# KiCad board SparkFun_IoT_RedBoard-RP2350_panelized.kicad_pcb (continued)
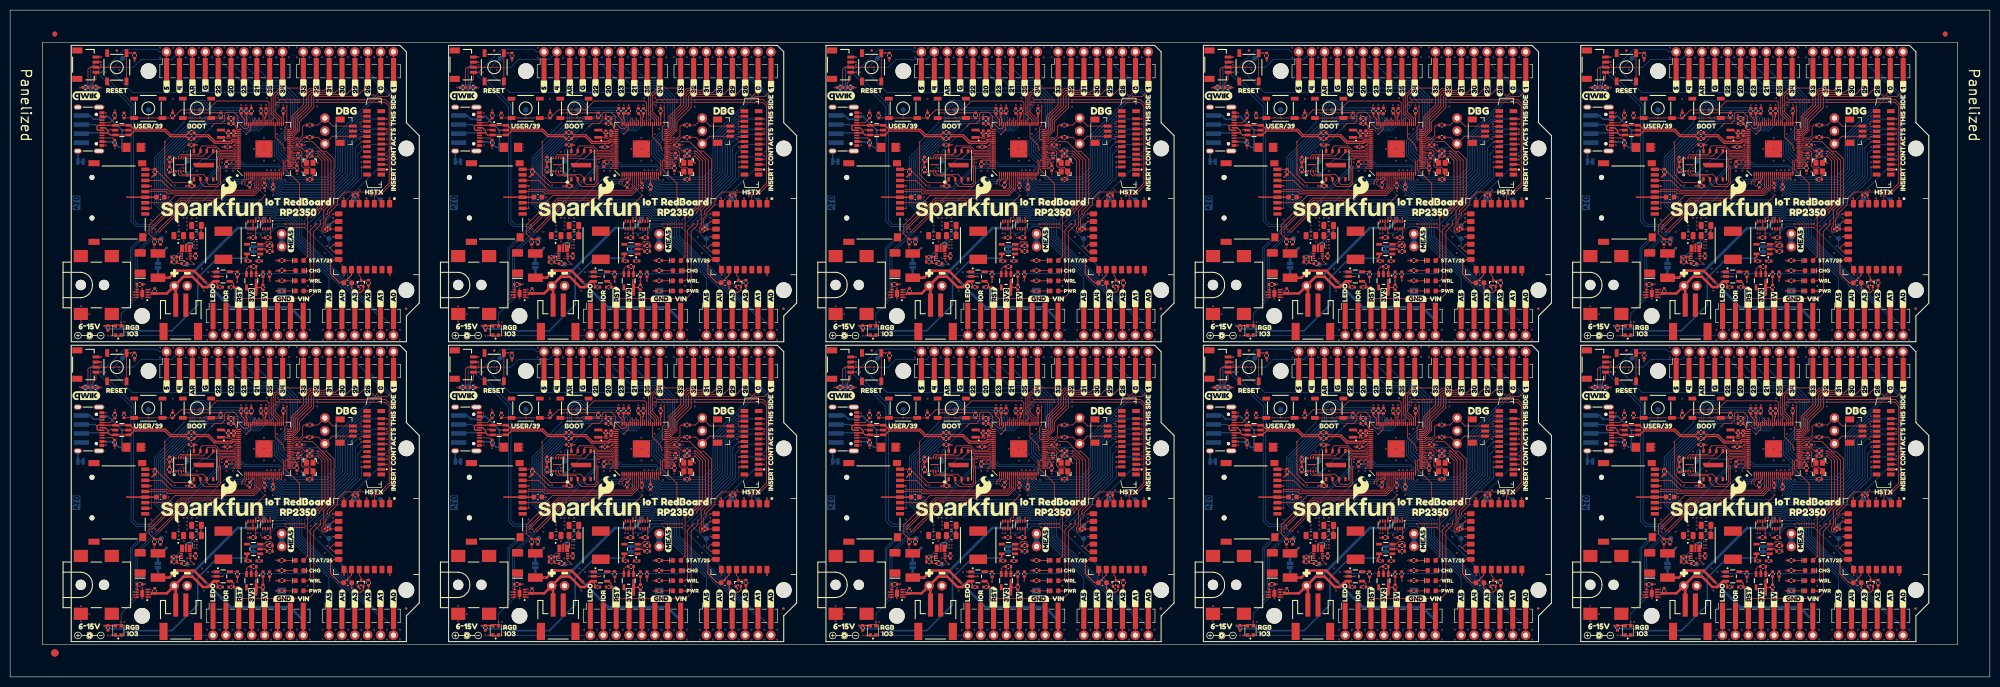
[diagram p0: board, top side]
## Placement (name value [footprint] x y rotation side) (continued)
kibuzzard-67A3E1FA#9  G***  [kibuzzard-67A3E1FA]  256.45 116.33 90 top
kibuzzard-67A3E1FA#10  G***  [kibuzzard-67A3E1FA]  256.45 57.21 90 top
kibuzzard-67A3E2A5  G***  [kibuzzard-67A3E2A5]  47.57 74.68 90 top
kibuzzard-67A3E2A5#2  G***  [kibuzzard-67A3E2A5]  121.93 74.68 90 top
kibuzzard-67A3E2A5#3  G***  [kibuzzard-67A3E2A5]  270.65 15.56 90 top
kibuzzard-67A3E2A5#4  G***  [kibuzzard-67A3E2A5]  270.65 74.68 90 top
kibuzzard-67A3E2A5#5  G***  [kibuzzard-67A3E2A5]  345.01 15.56 90 top
kibuzzard-67A3E2A5#6  G***  [kibuzzard-67A3E2A5]  121.93 15.56 90 top
kibuzzard-67A3E2A5#7  G***  [kibuzzard-67A3E2A5]  196.29 74.68 90 top
kibuzzard-67A3E2A5#8  G***  [kibuzzard-67A3E2A5]  196.29 15.56 90 top
kibuzzard-67A3E2A5#9  G***  [kibuzzard-67A3E2A5]  345.01 74.68 90 top
kibuzzard-67A3E2A5#10  G***  [kibuzzard-67A3E2A5]  47.57 15.56 90 top
kibuzzard-67A3E2C6  G***  [kibuzzard-67A3E2C6]  45.02 15.76 90 top
kibuzzard-67A3E2C6#2  G***  [kibuzzard-67A3E2C6]  119.38 74.88 90 top
kibuzzard-67A3E2C6#3  G***  [kibuzzard-67A3E2C6]  193.74 74.88 90 top
kibuzzard-67A3E2C6#4  G***  [kibuzzard-67A3E2C6]  45.02 74.88 90 top
kibuzzard-67A3E2C6#5  G***  [kibuzzard-67A3E2C6]  119.38 15.76 90 top
kibuzzard-67A3E2C6#6  G***  [kibuzzard-67A3E2C6]  193.74 15.76 90 top
kibuzzard-67A3E2C6#7  G***  [kibuzzard-67A3E2C6]  268.1 74.88 90 top
kibuzzard-67A3E2C6#8  G***  [kibuzzard-67A3E2C6]  268.1 15.76 90 top
kibuzzard-67A3E2C6#9  G***  [kibuzzard-67A3E2C6]  342.46 15.76 90 top
kibuzzard-67A3E2C6#10  G***  [kibuzzard-67A3E2C6]  342.46 74.88 90 top
kibuzzard-67A3E4A3  G***  [kibuzzard-67A3E4A3]  45.62 25.21 180 bottom
kibuzzard-67A3E4A3#2  G***  [kibuzzard-67A3E4A3]  343.06 84.33 180 bottom
kibuzzard-67A3E4A3#3  G***  [kibuzzard-67A3E4A3]  268.7 25.21 180 bottom
kibuzzard-67A3E4A3#4  G***  [kibuzzard-67A3E4A3]  343.06 25.21 180 bottom
kibuzzard-67A3E4A3#5  G***  [kibuzzard-67A3E4A3]  194.34 84.33 180 bottom
kibuzzard-67A3E4A3#6  G***  [kibuzzard-67A3E4A3]  268.7 84.33 180 bottom
kibuzzard-67A3E4A3#7  G***  [kibuzzard-67A3E4A3]  119.98 25.21 180 bottom
kibuzzard-67A3E4A3#8  G***  [kibuzzard-67A3E4A3]  119.98 84.33 180 bottom
kibuzzard-67A3E4A3#9  G***  [kibuzzard-67A3E4A3]  194.34 25.21 180 bottom
kibuzzard-67A3E4A3#10  G***  [kibuzzard-67A3E4A3]  45.62 84.33 180 bottom
kibuzzard-67A3E4D1  G***  [kibuzzard-67A3E4D1]  61.72 21.96 180 bottom
kibuzzard-67A3E4D1#2  G***  [kibuzzard-67A3E4D1]  210.44 21.96 180 bottom
kibuzzard-67A3E4D1#3  G***  [kibuzzard-67A3E4D1]  284.8 21.96 180 bottom
kibuzzard-67A3E4D1#4  G***  [kibuzzard-67A3E4D1]  61.72 81.08 180 bottom
kibuzzard-67A3E4D1#5  G***  [kibuzzard-67A3E4D1]  136.08 21.96 180 bottom
kibuzzard-67A3E4D1#6  G***  [kibuzzard-67A3E4D1]  136.08 81.08 180 bottom
kibuzzard-67A3E4D1#7  G***  [kibuzzard-67A3E4D1]  210.44 81.08 180 bottom
kibuzzard-67A3E4D1#8  G***  [kibuzzard-67A3E4D1]  359.16 81.08 180 bottom
kibuzzard-67A3E4D1#9  G***  [kibuzzard-67A3E4D1]  359.16 21.96 180 bottom
kibuzzard-67A3E4D1#10  G***  [kibuzzard-67A3E4D1]  284.8 81.08 180 bottom
kibuzzard-67A3E09E  G***  [kibuzzard-67A3E09E]  75.52 46.16 90 top
kibuzzard-67A3E09E#2  G***  [kibuzzard-67A3E09E]  149.88 46.16 90 top
kibuzzard-67A3E09E#3  G***  [kibuzzard-67A3E09E]  224.24 105.28 90 top
kibuzzard-67A3E09E#4  G***  [kibuzzard-67A3E09E]  75.52 105.28 90 top
kibuzzard-67A3E09E#5  G***  [kibuzzard-67A3E09E]  149.88 105.28 90 top
kibuzzard-67A3E09E#6  G***  [kibuzzard-67A3E09E]  224.24 46.16 90 top
kibuzzard-67A3E09E#7  G***  [kibuzzard-67A3E09E]  298.6 46.16 90 top
kibuzzard-67A3E09E#8  G***  [kibuzzard-67A3E09E]  298.6 105.28 90 top
kibuzzard-67A3E09E#9  G***  [kibuzzard-67A3E09E]  372.96 46.16 90 top
kibuzzard-67A3E09E#10  G***  [kibuzzard-67A3E09E]  372.96 105.28 90 top
kibuzzard-67A3E12A  G***  [kibuzzard-67A3E12A]  70.47 56.96 90 top
kibuzzard-67A3E12A#2  G***  [kibuzzard-67A3E12A]  367.91 116.08 90 top
kibuzzard-67A3E12A#3  G***  [kibuzzard-67A3E12A]  144.83 56.96 90 top
kibuzzard-67A3E12A#4  G***  [kibuzzard-67A3E12A]  70.47 116.08 90 top
kibuzzard-67A3E12A#5  G***  [kibuzzard-67A3E12A]  144.83 116.08 90 top
kibuzzard-67A3E12A#6  G***  [kibuzzard-67A3E12A]  219.19 116.08 90 top
kibuzzard-67A3E12A#7  G***  [kibuzzard-67A3E12A]  293.55 56.96 90 top
kibuzzard-67A3E12A#8  G***  [kibuzzard-67A3E12A]  219.19 56.96 90 top
kibuzzard-67A3E12A#9  G***  [kibuzzard-67A3E12A]  293.55 116.08 90 top
kibuzzard-67A3E12A#10  G***  [kibuzzard-67A3E12A]  367.91 56.96 90 top
kibuzzard-67A3E17B  G***  [kibuzzard-67A3E17B]  60.32 56.96 90 top
kibuzzard-67A3E17B#2  G***  [kibuzzard-67A3E17B]  134.68 116.08 90 top
kibuzzard-67A3E17B#3  G***  [kibuzzard-67A3E17B]  357.76 56.96 90 top
kibuzzard-67A3E17B#4  G***  [kibuzzard-67A3E17B]  209.04 56.96 90 top
kibuzzard-67A3E17B#5  G***  [kibuzzard-67A3E17B]  209.04 116.08 90 top
kibuzzard-67A3E17B#6  G***  [kibuzzard-67A3E17B]  283.4 56.96 90 top
kibuzzard-67A3E17B#7  G***  [kibuzzard-67A3E17B]  134.68 56.96 90 top
kibuzzard-67A3E17B#8  G***  [kibuzzard-67A3E17B]  60.32 116.08 90 top
kibuzzard-67A3E17B#9  G***  [kibuzzard-67A3E17B]  283.4 116.08 90 top
kibuzzard-67A3E17B#10  G***  [kibuzzard-67A3E17B]  357.76 116.08 90 top
kibuzzard-67A3E20D  G***  [kibuzzard-67A3E20D]  27.22 49.46 0 top
kibuzzard-67A3E20D#2  G***  [kibuzzard-67A3E20D]  27.22 108.58 0 top
kibuzzard-67A3E20D#3  G***  [kibuzzard-67A3E20D]  101.58 49.46 0 top
kibuzzard-67A3E20D#4  G***  [kibuzzard-67A3E20D]  175.94 108.58 0 top
kibuzzard-67A3E20D#5  G***  [kibuzzard-67A3E20D]  324.66 108.58 0 top
kibuzzard-67A3E20D#6  G***  [kibuzzard-67A3E20D]  250.3 49.46 0 top
kibuzzard-67A3E20D#7  G***  [kibuzzard-67A3E20D]  101.58 108.58 0 top
kibuzzard-67A3E20D#8  G***  [kibuzzard-67A3E20D]  175.94 49.46 0 top
kibuzzard-67A3E20D#9  G***  [kibuzzard-67A3E20D]  250.3 108.58 0 top
kibuzzard-67A3E20D#10  G***  [kibuzzard-67A3E20D]  324.66 49.46 0 top
kibuzzard-67A3E24D  G***  [kibuzzard-67A3E24D]  72.97 15.46 90 top
kibuzzard-67A3E24D#2  G***  [kibuzzard-67A3E24D]  221.69 74.58 90 top
kibuzzard-67A3E24D#3  G***  [kibuzzard-67A3E24D]  370.41 74.58 90 top
kibuzzard-67A3E24D#4  G***  [kibuzzard-67A3E24D]  147.33 74.58 90 top
kibuzzard-67A3E24D#5  G***  [kibuzzard-67A3E24D]  221.69 15.46 90 top
kibuzzard-67A3E24D#6  G***  [kibuzzard-67A3E24D]  296.05 15.46 90 top
kibuzzard-67A3E24D#7  G***  [kibuzzard-67A3E24D]  72.97 74.58 90 top
kibuzzard-67A3E24D#8  G***  [kibuzzard-67A3E24D]  147.33 15.46 90 top
kibuzzard-67A3E24D#9  G***  [kibuzzard-67A3E24D]  296.05 74.58 90 top
kibuzzard-67A3E24D#10  G***  [kibuzzard-67A3E24D]  370.41 15.46 90 top
kibuzzard-67A3E25A  G***  [kibuzzard-67A3E25A]  67.92 15.46 90 top
kibuzzard-67A3E25A#2  G***  [kibuzzard-67A3E25A]  291 74.58 90 top
kibuzzard-67A3E25A#3  G***  [kibuzzard-67A3E25A]  365.36 74.58 90 top
kibuzzard-67A3E25A#4  G***  [kibuzzard-67A3E25A]  216.64 15.46 90 top
kibuzzard-67A3E25A#5  G***  [kibuzzard-67A3E25A]  291 15.46 90 top
kibuzzard-67A3E25A#6  G***  [kibuzzard-67A3E25A]  216.64 74.58 90 top
kibuzzard-67A3E25A#7  G***  [kibuzzard-67A3E25A]  67.92 74.58 90 top
kibuzzard-67A3E25A#8  G***  [kibuzzard-67A3E25A]  142.28 15.46 90 top
kibuzzard-67A3E25A#9  G***  [kibuzzard-67A3E25A]  142.28 74.58 90 top
kibuzzard-67A3E25A#10  G***  [kibuzzard-67A3E25A]  365.36 15.46 90 top
kibuzzard-67A3E26A  G***  [kibuzzard-67A3E26A]  62.82 15.46 90 top
kibuzzard-67A3E26A#2  G***  [kibuzzard-67A3E26A]  211.54 15.46 90 top
kibuzzard-67A3E26A#3  G***  [kibuzzard-67A3E26A]  62.82 74.58 90 top
kibuzzard-67A3E26A#4  G***  [kibuzzard-67A3E26A]  137.18 15.46 90 top
kibuzzard-67A3E26A#5  G***  [kibuzzard-67A3E26A]  137.18 74.58 90 top
kibuzzard-67A3E26A#6  G***  [kibuzzard-67A3E26A]  360.26 15.46 90 top
kibuzzard-67A3E26A#7  G***  [kibuzzard-67A3E26A]  211.54 74.58 90 top
kibuzzard-67A3E26A#8  G***  [kibuzzard-67A3E26A]  285.9 15.46 90 top
kibuzzard-67A3E26A#9  G***  [kibuzzard-67A3E26A]  285.9 74.58 90 top
kibuzzard-67A3E26A#10  G***  [kibuzzard-67A3E26A]  360.26 74.58 90 top
kibuzzard-67A3E43C  G***  [kibuzzard-67A3E43C]  29.12 19.06 90 bottom
kibuzzard-67A3E43C#2  G***  [kibuzzard-67A3E43C]  326.56 19.06 90 bottom
kibuzzard-67A3E43C#3  G***  [kibuzzard-67A3E43C]  252.2 19.06 90 bottom
kibuzzard-67A3E43C#4  G***  [kibuzzard-67A3E43C]  29.12 78.18 90 bottom
kibuzzard-67A3E43C#5  G***  [kibuzzard-67A3E43C]  103.48 19.06 90 bottom
kibuzzard-67A3E43C#6  G***  [kibuzzard-67A3E43C]  103.48 78.18 90 bottom
kibuzzard-67A3E43C#7  G***  [kibuzzard-67A3E43C]  177.84 19.06 90 bottom
kibuzzard-67A3E43C#8  G***  [kibuzzard-67A3E43C]  252.2 78.18 90 bottom
kibuzzard-67A3E43C#9  G***  [kibuzzard-67A3E43C]  177.84 78.18 90 bottom
kibuzzard-67A3E43C#10  G***  [kibuzzard-67A3E43C]  326.56 78.18 90 bottom
kibuzzard-67A3E45D  G***  [kibuzzard-67A3E45D]  34.92 19.96 0 bottom
kibuzzard-67A3E45D#2  G***  [kibuzzard-67A3E45D]  109.28 19.96 0 bottom
kibuzzard-67A3E45D#3  G***  [kibuzzard-67A3E45D]  34.92 79.08 0 bottom
kibuzzard-67A3E45D#4  G***  [kibuzzard-67A3E45D]  332.36 79.08 0 bottom
kibuzzard-67A3E45D#5  G***  [kibuzzard-67A3E45D]  332.36 19.96 0 bottom
kibuzzard-67A3E45D#6  G***  [kibuzzard-67A3E45D]  109.28 79.08 0 bottom
kibuzzard-67A3E45D#7  G***  [kibuzzard-67A3E45D]  183.64 19.96 0 bottom
kibuzzard-67A3E45D#8  G***  [kibuzzard-67A3E45D]  258 79.08 0 bottom
kibuzzard-67A3E45D#9  G***  [kibuzzard-67A3E45D]  183.64 79.08 0 bottom
kibuzzard-67A3E45D#10  G***  [kibuzzard-67A3E45D]  258 19.96 0 bottom
kibuzzard-67A3E112  G***  [kibuzzard-67A3E112]  73.02 57.21 90 top
kibuzzard-67A3E112#2  G***  [kibuzzard-67A3E112]  370.46 57.21 90 top
kibuzzard-67A3E112#3  G***  [kibuzzard-67A3E112]  147.38 57.21 90 top
kibuzzard-67A3E112#4  G***  [kibuzzard-67A3E112]  221.74 57.21 90 top
kibuzzard-67A3E112#5  G***  [kibuzzard-67A3E112]  221.74 116.33 90 top
kibuzzard-67A3E112#6  G***  [kibuzzard-67A3E112]  147.38 116.33 90 top
kibuzzard-67A3E112#7  G***  [kibuzzard-67A3E112]  296.1 57.21 90 top
kibuzzard-67A3E112#8  G***  [kibuzzard-67A3E112]  296.1 116.33 90 top
kibuzzard-67A3E112#9  G***  [kibuzzard-67A3E112]  73.02 116.33 90 top
kibuzzard-67A3E112#10  G***  [kibuzzard-67A3E112]  370.46 116.33 90 top
kibuzzard-67A3E140  G***  [kibuzzard-67A3E140]  67.97 56.96 90 top
kibuzzard-67A3E140#2  G***  [kibuzzard-67A3E140]  365.41 56.96 90 top
kibuzzard-67A3E140#3  G***  [kibuzzard-67A3E140]  67.97 116.08 90 top
kibuzzard-67A3E140#4  G***  [kibuzzard-67A3E140]  142.33 116.08 90 top
kibuzzard-67A3E140#5  G***  [kibuzzard-67A3E140]  216.69 116.08 90 top
kibuzzard-67A3E140#6  G***  [kibuzzard-67A3E140]  142.33 56.96 90 top
kibuzzard-67A3E140#7  G***  [kibuzzard-67A3E140]  291.05 56.96 90 top
kibuzzard-67A3E140#8  G***  [kibuzzard-67A3E140]  216.69 56.96 90 top
kibuzzard-67A3E140#9  G***  [kibuzzard-67A3E140]  291.05 116.08 90 top
kibuzzard-67A3E140#10  G***  [kibuzzard-67A3E140]  365.41 116.08 90 top
kibuzzard-67A3E168  G***  [kibuzzard-67A3E168]  65.42 56.96 90 top
kibuzzard-67A3E168#2  G***  [kibuzzard-67A3E168]  214.14 56.96 90 top
kibuzzard-67A3E168#3  G***  [kibuzzard-67A3E168]  288.5 116.08 90 top
kibuzzard-67A3E168#4  G***  [kibuzzard-67A3E168]  139.78 116.08 90 top
kibuzzard-67A3E168#5  G***  [kibuzzard-67A3E168]  288.5 56.96 90 top
kibuzzard-67A3E168#6  G***  [kibuzzard-67A3E168]  65.42 116.08 90 top
kibuzzard-67A3E168#7  G***  [kibuzzard-67A3E168]  139.78 56.96 90 top
kibuzzard-67A3E168#8  G***  [kibuzzard-67A3E168]  214.14 116.08 90 top
kibuzzard-67A3E168#9  G***  [kibuzzard-67A3E168]  362.86 56.96 90 top
kibuzzard-67A3E168#10  G***  [kibuzzard-67A3E168]  362.86 116.08 90 top
kibuzzard-67A3E171  G***  [kibuzzard-67A3E171]  62.87 56.96 90 top
kibuzzard-67A3E171#2  G***  [kibuzzard-67A3E171]  137.23 56.96 90 top
kibuzzard-67A3E171#3  G***  [kibuzzard-67A3E171]  62.87 116.08 90 top
kibuzzard-67A3E171#4  G***  [kibuzzard-67A3E171]  211.59 56.96 90 top
kibuzzard-67A3E171#5  G***  [kibuzzard-67A3E171]  285.95 116.08 90 top
kibuzzard-67A3E171#6  G***  [kibuzzard-67A3E171]  360.31 116.08 90 top
kibuzzard-67A3E171#7  G***  [kibuzzard-67A3E171]  211.59 116.08 90 top
kibuzzard-67A3E171#8  G***  [kibuzzard-67A3E171]  285.95 56.96 90 top
kibuzzard-67A3E171#9  G***  [kibuzzard-67A3E171]  360.31 56.96 90 top
kibuzzard-67A3E171#10  G***  [kibuzzard-67A3E171]  137.23 116.08 90 top
kibuzzard-67A3E183  G***  [kibuzzard-67A3E183]  57.77 56.96 90 top
kibuzzard-67A3E183#2  G***  [kibuzzard-67A3E183]  132.13 116.08 90 top
kibuzzard-67A3E183#3  G***  [kibuzzard-67A3E183]  206.49 116.08 90 top
kibuzzard-67A3E183#4  G***  [kibuzzard-67A3E183]  355.21 116.08 90 top
kibuzzard-67A3E183#5  G***  [kibuzzard-67A3E183]  280.85 56.96 90 top
kibuzzard-67A3E183#6  G***  [kibuzzard-67A3E183]  57.77 116.08 90 top
kibuzzard-67A3E183#7  G***  [kibuzzard-67A3E183]  132.13 56.96 90 top
kibuzzard-67A3E183#8  G***  [kibuzzard-67A3E183]  206.49 56.96 90 top
kibuzzard-67A3E183#9  G***  [kibuzzard-67A3E183]  280.85 116.08 90 top
kibuzzard-67A3E183#10  G***  [kibuzzard-67A3E183]  355.21 56.96 90 top
kibuzzard-67A3E201  G***  [kibuzzard-67A3E201]  30.82 57.21 90 top
kibuzzard-67A3E201#2  G***  [kibuzzard-67A3E201]  30.82 116.33 90 top
kibuzzard-67A3E201#3  G***  [kibuzzard-67A3E201]  105.18 116.33 90 top
kibuzzard-67A3E201#4  G***  [kibuzzard-67A3E201]  105.18 57.21 90 top
kibuzzard-67A3E201#5  G***  [kibuzzard-67A3E201]  253.9 116.33 90 top
kibuzzard-67A3E201#6  G***  [kibuzzard-67A3E201]  179.54 57.21 90 top
kibuzzard-67A3E201#7  G***  [kibuzzard-67A3E201]  328.26 116.33 90 top
kibuzzard-67A3E201#8  G***  [kibuzzard-67A3E201]  179.54 116.33 90 top
kibuzzard-67A3E201#9  G***  [kibuzzard-67A3E201]  253.9 57.21 90 top
kibuzzard-67A3E201#10  G***  [kibuzzard-67A3E201]  328.26 57.21 90 top
kibuzzard-67A3E235  G***  [kibuzzard-67A3E235]  75.52 15.46 90 top
kibuzzard-67A3E235#2  G***  [kibuzzard-67A3E235]  224.24 15.46 90 top
kibuzzard-67A3E235#3  G***  [kibuzzard-67A3E235]  298.6 15.46 90 top
kibuzzard-67A3E235#4  G***  [kibuzzard-67A3E235]  372.96 74.58 90 top
kibuzzard-67A3E235#5  G***  [kibuzzard-67A3E235]  75.52 74.58 90 top
kibuzzard-67A3E235#6  G***  [kibuzzard-67A3E235]  149.88 15.46 90 top
kibuzzard-67A3E235#7  G***  [kibuzzard-67A3E235]  149.88 74.58 90 top
kibuzzard-67A3E235#8  G***  [kibuzzard-67A3E235]  224.24 74.58 90 top
kibuzzard-67A3E235#9  G***  [kibuzzard-67A3E235]  298.6 74.58 90 top
kibuzzard-67A3E235#10  G***  [kibuzzard-67A3E235]  372.96 15.46 90 top
kibuzzard-67A3E254  G***  [kibuzzard-67A3E254]  219.24 74.58 90 top
kibuzzard-67A3E254#2  G***  [kibuzzard-67A3E254]  293.6 74.58 90 top
kibuzzard-67A3E254#3  G***  [kibuzzard-67A3E254]  70.52 74.58 90 top
kibuzzard-67A3E254#4  G***  [kibuzzard-67A3E254]  144.88 15.46 90 top
kibuzzard-67A3E254#5  G***  [kibuzzard-67A3E254]  144.88 74.58 90 top
kibuzzard-67A3E254#6  G***  [kibuzzard-67A3E254]  219.24 15.46 90 top
kibuzzard-67A3E254#7  G***  [kibuzzard-67A3E254]  293.6 15.46 90 top
kibuzzard-67A3E254#8  G***  [kibuzzard-67A3E254]  367.96 15.46 90 top
kibuzzard-67A3E254#9  G***  [kibuzzard-67A3E254]  367.96 74.58 90 top
kibuzzard-67A3E254#10  G***  [kibuzzard-67A3E254]  70.52 15.46 90 top
kibuzzard-67A3E263  G***  [kibuzzard-67A3E263]  65.42 15.46 90 top
kibuzzard-67A3E263#2  G***  [kibuzzard-67A3E263]  65.42 74.58 90 top
kibuzzard-67A3E263#3  G***  [kibuzzard-67A3E263]  139.78 74.58 90 top
kibuzzard-67A3E263#4  G***  [kibuzzard-67A3E263]  214.14 15.46 90 top
kibuzzard-67A3E263#5  G***  [kibuzzard-67A3E263]  139.78 15.46 90 top
kibuzzard-67A3E263#6  G***  [kibuzzard-67A3E263]  288.5 15.46 90 top
kibuzzard-67A3E263#7  G***  [kibuzzard-67A3E263]  362.86 15.46 90 top
kibuzzard-67A3E263#8  G***  [kibuzzard-67A3E263]  288.5 74.58 90 top
kibuzzard-67A3E263#9  G***  [kibuzzard-67A3E263]  362.86 74.58 90 top
kibuzzard-67A3E263#10  G***  [kibuzzard-67A3E263]  214.14 74.58 90 top
kibuzzard-67A3E284  G***  [kibuzzard-67A3E284]  50.12 15.26 90 top
kibuzzard-67A3E284#2  G***  [kibuzzard-67A3E284]  124.48 74.38 90 top
kibuzzard-67A3E284#3  G***  [kibuzzard-67A3E284]  198.84 15.26 90 top
kibuzzard-67A3E284#4  G***  [kibuzzard-67A3E284]  50.12 74.38 90 top
kibuzzard-67A3E284#5  G***  [kibuzzard-67A3E284]  124.48 15.26 90 top
kibuzzard-67A3E284#6  G***  [kibuzzard-67A3E284]  347.56 15.26 90 top
kibuzzard-67A3E284#7  G***  [kibuzzard-67A3E284]  273.2 74.38 90 top
kibuzzard-67A3E284#8  G***  [kibuzzard-67A3E284]  273.2 15.26 90 top
kibuzzard-67A3E284#9  G***  [kibuzzard-67A3E284]  198.84 74.38 90 top
kibuzzard-67A3E284#10  G***  [kibuzzard-67A3E284]  347.56 74.38 90 top
kibuzzard-67A3E455  G***  [kibuzzard-67A3E455]  32.37 19.96 0 bottom
kibuzzard-67A3E455#2  G***  [kibuzzard-67A3E455]  329.81 79.08 0 bottom
kibuzzard-67A3E455#3  G***  [kibuzzard-67A3E455]  106.73 79.08 0 bottom
kibuzzard-67A3E455#4  G***  [kibuzzard-67A3E455]  181.09 79.08 0 bottom
kibuzzard-67A3E455#5  G***  [kibuzzard-67A3E455]  32.37 79.08 0 bottom
kibuzzard-67A3E455#6  G***  [kibuzzard-67A3E455]  181.09 19.96 0 bottom
kibuzzard-67A3E455#7  G***  [kibuzzard-67A3E455]  255.45 79.08 0 bottom
kibuzzard-67A3E455#8  G***  [kibuzzard-67A3E455]  329.81 19.96 0 bottom
kibuzzard-67A3E455#9  G***  [kibuzzard-67A3E455]  106.73 19.96 0 bottom
kibuzzard-67A3E455#10  G***  [kibuzzard-67A3E455]  255.45 19.96 0 bottom
kibuzzard-67A3F3F2  G***  [kibuzzard-67A3F3F2]  50.22 76.08 180 bottom
kibuzzard-67A3F3F2#2  G***  [kibuzzard-67A3F3F2]  50.22 16.96 180 bottom
kibuzzard-67A3F3F2#3  G***  [kibuzzard-67A3F3F2]  124.58 76.08 180 bottom
kibuzzard-67A3F3F2#4  G***  [kibuzzard-67A3F3F2]  198.94 76.08 180 bottom
kibuzzard-67A3F3F2#5  G***  [kibuzzard-67A3F3F2]  124.58 16.96 180 bottom
kibuzzard-67A3F3F2#6  G***  [kibuzzard-67A3F3F2]  198.94 16.96 180 bottom
kibuzzard-67A3F3F2#7  G***  [kibuzzard-67A3F3F2]  273.3 16.96 180 bottom
kibuzzard-67A3F3F2#8  G***  [kibuzzard-67A3F3F2]  347.66 76.08 180 bottom
kibuzzard-67A3F3F2#9  G***  [kibuzzard-67A3F3F2]  273.3 76.08 180 bottom
kibuzzard-67A3F3F2#10  G***  [kibuzzard-67A3F3F2]  347.66 16.96 180 bottom
kibuzzard-67A3F4AA  G***  [kibuzzard-67A3F4AA]  17.32 42.46 180 bottom
kibuzzard-67A3F4AA#2  G***  [kibuzzard-67A3F4AA]  17.32 101.58 180 bottom
kibuzzard-67A3F4AA#3  G***  [kibuzzard-67A3F4AA]  166.04 42.46 180 bottom
kibuzzard-67A3F4AA#4  G***  [kibuzzard-67A3F4AA]  240.4 42.46 180 bottom
kibuzzard-67A3F4AA#5  G***  [kibuzzard-67A3F4AA]  240.4 101.58 180 bottom
kibuzzard-67A3F4AA#6  G***  [kibuzzard-67A3F4AA]  314.76 42.46 180 bottom
kibuzzard-67A3F4AA#7  G***  [kibuzzard-67A3F4AA]  91.68 101.58 180 bottom
kibuzzard-67A3F4AA#8  G***  [kibuzzard-67A3F4AA]  91.68 42.46 180 bottom
kibuzzard-67A3F4AA#9  G***  [kibuzzard-67A3F4AA]  314.76 101.58 180 bottom
kibuzzard-67A3F4AA#10  G***  [kibuzzard-67A3F4AA]  166.04 101.58 180 bottom
kibuzzard-67A3F4E6  G***  [kibuzzard-67A3F4E6]  30.82 60.76 90 bottom
kibuzzard-67A3F4E6#2  G***  [kibuzzard-67A3F4E6]  30.82 119.88 90 bottom
kibuzzard-67A3F4E6#3  G***  [kibuzzard-67A3F4E6]  253.9 119.88 90 bottom
kibuzzard-67A3F4E6#4  G***  [kibuzzard-67A3F4E6]  179.54 60.76 90 bottom
kibuzzard-67A3F4E6#5  G***  [kibuzzard-67A3F4E6]  105.18 60.76 90 bottom
kibuzzard-67A3F4E6#6  G***  [kibuzzard-67A3F4E6]  105.18 119.88 90 bottom
kibuzzard-67A3F4E6#7  G***  [kibuzzard-67A3F4E6]  179.54 119.88 90 bottom
kibuzzard-67A3F4E6#8  G***  [kibuzzard-67A3F4E6]  253.9 60.76 90 bottom
kibuzzard-67A3F4E6#9  G***  [kibuzzard-67A3F4E6]  328.26 60.76 90 bottom
kibuzzard-67A3F4E6#10  G***  [kibuzzard-67A3F4E6]  328.26 119.88 90 bottom
kibuzzard-67A3F5C2  G***  [kibuzzard-67A3F5C2]  46.07 60.36 90 bottom
kibuzzard-67A3F5C2#2  G***  [kibuzzard-67A3F5C2]  120.43 119.48 90 bottom
kibuzzard-67A3F5C2#3  G***  [kibuzzard-67A3F5C2]  269.15 119.48 90 bottom
kibuzzard-67A3F5C2#4  G***  [kibuzzard-67A3F5C2]  120.43 60.36 90 bottom
kibuzzard-67A3F5C2#5  G***  [kibuzzard-67A3F5C2]  46.07 119.48 90 bottom
kibuzzard-67A3F5C2#6  G***  [kibuzzard-67A3F5C2]  194.79 119.48 90 bottom
kibuzzard-67A3F5C2#7  G***  [kibuzzard-67A3F5C2]  194.79 60.36 90 bottom
kibuzzard-67A3F5C2#8  G***  [kibuzzard-67A3F5C2]  269.15 60.36 90 bottom
kibuzzard-67A3F5C2#9  G***  [kibuzzard-67A3F5C2]  343.51 60.36 90 bottom
kibuzzard-67A3F5C2#10  G***  [kibuzzard-67A3F5C2]  343.51 119.48 90 bottom
kibuzzard-67A3F5D5  G***  [kibuzzard-67A3F5D5]  48.62 61.16 90 bottom
kibuzzard-67A3F5D5#2  G***  [kibuzzard-67A3F5D5]  48.62 120.28 90 bottom
kibuzzard-67A3F5D5#3  G***  [kibuzzard-67A3F5D5]  197.34 120.28 90 bottom
kibuzzard-67A3F5D5#4  G***  [kibuzzard-67A3F5D5]  346.06 120.28 90 bottom
kibuzzard-67A3F5D5#5  G***  [kibuzzard-67A3F5D5]  122.98 120.28 90 bottom
kibuzzard-67A3F5D5#6  G***  [kibuzzard-67A3F5D5]  197.34 61.16 90 bottom
kibuzzard-67A3F5D5#7  G***  [kibuzzard-67A3F5D5]  271.7 61.16 90 bottom
kibuzzard-67A3F5D5#8  G***  [kibuzzard-67A3F5D5]  271.7 120.28 90 bottom
kibuzzard-67A3F5D5#9  G***  [kibuzzard-67A3F5D5]  346.06 61.16 90 bottom
kibuzzard-67A3F5D5#10  G***  [kibuzzard-67A3F5D5]  122.98 61.16 90 bottom
kibuzzard-67A3F5FB  G***  [kibuzzard-67A3F5FB]  51.17 62.06 90 bottom
kibuzzard-67A3F5FB#2  G***  [kibuzzard-67A3F5FB]  51.17 121.18 90 bottom
kibuzzard-67A3F5FB#3  G***  [kibuzzard-67A3F5FB]  274.25 121.18 90 bottom
kibuzzard-67A3F5FB#4  G***  [kibuzzard-67A3F5FB]  125.53 121.18 90 bottom
kibuzzard-67A3F5FB#5  G***  [kibuzzard-67A3F5FB]  274.25 62.06 90 bottom
kibuzzard-67A3F5FB#6  G***  [kibuzzard-67A3F5FB]  199.89 121.18 90 bottom
kibuzzard-67A3F5FB#7  G***  [kibuzzard-67A3F5FB]  348.61 62.06 90 bottom
kibuzzard-67A3F5FB#8  G***  [kibuzzard-67A3F5FB]  348.61 121.18 90 bottom
kibuzzard-67A3F5FB#9  G***  [kibuzzard-67A3F5FB]  199.89 62.06 90 bottom
kibuzzard-67A3F5FB#10  G***  [kibuzzard-67A3F5FB]  125.53 62.06 90 bottom
kibuzzard-67A3F6A9  G***  [kibuzzard-67A3F6A9]  65.42 45.96 180 bottom
kibuzzard-67A3F6A9#2  G***  [kibuzzard-67A3F6A9]  65.42 105.08 180 bottom
kibuzzard-67A3F6A9#3  G***  [kibuzzard-67A3F6A9]  139.78 45.96 180 bottom
kibuzzard-67A3F6A9#4  G***  [kibuzzard-67A3F6A9]  362.86 45.96 180 bottom
kibuzzard-67A3F6A9#5  G***  [kibuzzard-67A3F6A9]  139.78 105.08 180 bottom
kibuzzard-67A3F6A9#6  G***  [kibuzzard-67A3F6A9]  214.14 45.96 180 bottom
kibuzzard-67A3F6A9#7  G***  [kibuzzard-67A3F6A9]  214.14 105.08 180 bottom
kibuzzard-67A3F6A9#8  G***  [kibuzzard-67A3F6A9]  288.5 105.08 180 bottom
kibuzzard-67A3F6A9#9  G***  [kibuzzard-67A3F6A9]  362.86 105.08 180 bottom
kibuzzard-67A3F6A9#10  G***  [kibuzzard-67A3F6A9]  288.5 45.96 180 bottom
kibuzzard-67A3F6CD  G***  [kibuzzard-67A3F6CD]  39.97 11.86 90 bottom
kibuzzard-67A3F6CD#2  G***  [kibuzzard-67A3F6CD]  188.69 70.98 90 bottom
kibuzzard-67A3F6CD#3  G***  [kibuzzard-67A3F6CD]  114.33 70.98 90 bottom
kibuzzard-67A3F6CD#4  G***  [kibuzzard-67A3F6CD]  114.33 11.86 90 bottom
kibuzzard-67A3F6CD#5  G***  [kibuzzard-67A3F6CD]  263.05 70.98 90 bottom
kibuzzard-67A3F6CD#6  G***  [kibuzzard-67A3F6CD]  337.41 11.86 90 bottom
kibuzzard-67A3F6CD#7  G***  [kibuzzard-67A3F6CD]  39.97 70.98 90 bottom
kibuzzard-67A3F6CD#8  G***  [kibuzzard-67A3F6CD]  188.69 11.86 90 bottom
kibuzzard-67A3F6CD#9  G***  [kibuzzard-67A3F6CD]  263.05 11.86 90 bottom
kibuzzard-67A3F6CD#10  G***  [kibuzzard-67A3F6CD]  337.41 70.98 90 bottom
kibuzzard-67A3F6E9  G***  [kibuzzard-67A3F6E9]  42.52 11.36 90 bottom
kibuzzard-67A3F6E9#2  G***  [kibuzzard-67A3F6E9]  116.88 11.36 90 bottom
kibuzzard-67A3F6E9#3  G***  [kibuzzard-67A3F6E9]  42.52 70.48 90 bottom
kibuzzard-67A3F6E9#4  G***  [kibuzzard-67A3F6E9]  339.96 70.48 90 bottom
kibuzzard-67A3F6E9#5  G***  [kibuzzard-67A3F6E9]  265.6 11.36 90 bottom
kibuzzard-67A3F6E9#6  G***  [kibuzzard-67A3F6E9]  191.24 11.36 90 bottom
kibuzzard-67A3F6E9#7  G***  [kibuzzard-67A3F6E9]  339.96 11.36 90 bottom
kibuzzard-67A3F6E9#8  G***  [kibuzzard-67A3F6E9]  116.88 70.48 90 bottom
kibuzzard-67A3F6E9#9  G***  [kibuzzard-67A3F6E9]  265.6 70.48 90 bottom
kibuzzard-67A3F6E9#10  G***  [kibuzzard-67A3F6E9]  191.24 70.48 90 bottom
kibuzzard-67A3F7A5  G***  [kibuzzard-67A3F7A5]  67.92 11.36 90 bottom
kibuzzard-67A3F7A5#2  G***  [kibuzzard-67A3F7A5]  67.92 70.48 90 bottom
kibuzzard-67A3F7A5#3  G***  [kibuzzard-67A3F7A5]  142.28 70.48 90 bottom
kibuzzard-67A3F7A5#4  G***  [kibuzzard-67A3F7A5]  142.28 11.36 90 bottom
kibuzzard-67A3F7A5#5  G***  [kibuzzard-67A3F7A5]  216.64 70.48 90 bottom
kibuzzard-67A3F7A5#6  G***  [kibuzzard-67A3F7A5]  291 70.48 90 bottom
kibuzzard-67A3F7A5#7  G***  [kibuzzard-67A3F7A5]  365.36 11.36 90 bottom
kibuzzard-67A3F7A5#8  G***  [kibuzzard-67A3F7A5]  216.64 11.36 90 bottom
kibuzzard-67A3F7A5#9  G***  [kibuzzard-67A3F7A5]  291 11.36 90 bottom
kibuzzard-67A3F7A5#10  G***  [kibuzzard-67A3F7A5]  365.36 70.48 90 bottom
kibuzzard-67A3F7B2  G***  [kibuzzard-67A3F7B2]  70.47 11.36 90 bottom
kibuzzard-67A3F7B2#2  G***  [kibuzzard-67A3F7B2]  367.91 11.36 90 bottom
kibuzzard-67A3F7B2#3  G***  [kibuzzard-67A3F7B2]  367.91 70.48 90 bottom
kibuzzard-67A3F7B2#4  G***  [kibuzzard-67A3F7B2]  144.83 11.36 90 bottom
kibuzzard-67A3F7B2#5  G***  [kibuzzard-67A3F7B2]  70.47 70.48 90 bottom
kibuzzard-67A3F7B2#6  G***  [kibuzzard-67A3F7B2]  144.83 70.48 90 bottom
kibuzzard-67A3F7B2#7  G***  [kibuzzard-67A3F7B2]  219.19 11.36 90 bottom
kibuzzard-67A3F7B2#8  G***  [kibuzzard-67A3F7B2]  219.19 70.48 90 bottom